# KiCad board the-nicholas-van MX.kicad_pcb (continued)
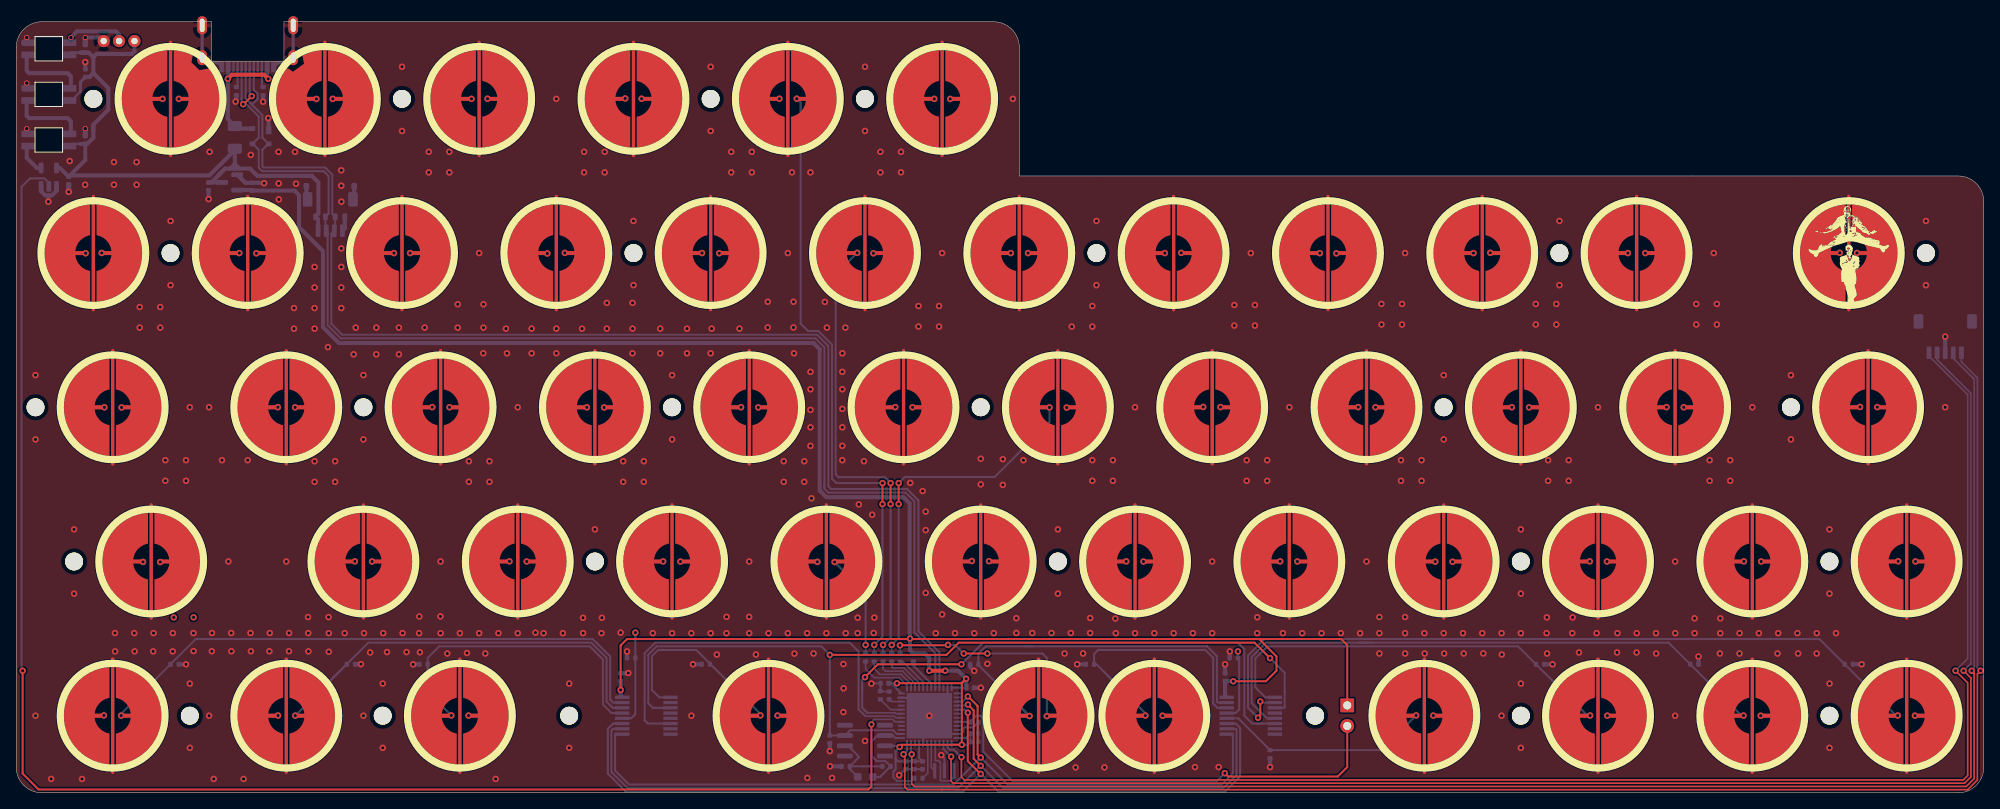
[diagram p0: board, top side]
## Routing (per net, layer and track width the routed paths; a pad name or vN(x,y) marks a point on that pad's centre or on a via; arc(x,y) is an arc through that point) (continued)
  Bottom w0.62: 8.53,92.42 v2(8.53,93.31) 8.53,92.42 ; 8.53,81.16 v2(8.53,82.05) 8.53,81.16 ; 6.48,75.12 6.48,74.23 6.48,75.12
  vias: v1(2.38,51.59) v1(2.38,43.66) v1(2.38,9.53) v1(4.32,1.71) v1(6.6,78.04) v1(7.14,32.54) v1(7.14,24.61) v1(8.13,1.71) v1(8.51,75.12) v1(12.07,77.91) v1(12.07,75.12) v1(12.19,19.73) v1(12.21,17.47) v1(14.57,19.73) v1(14.62,17.47) v1(14.86,77.91) v1(14.86,75.12) v1(15.24,60.01) v1(15.24,57.47) v1(16.95,19.73) v1(16.91,17.47) v1(17.78,60.01) v1(17.78,57.47) v1(18.42,41.08) v1(18.42,38.54) v1(19.05,70.64) v1(19.05,62.71) v1(19.33,19.73) v1(19.32,17.47) v1(20.96,41.08) v1(20.96,38.54) v1(21.43,47.62) v1(21.43,13.49) v1(21.43,5.56) v1(21.88,19.73) v1(21.89,17.51) v1(23.81,47.62) v1(23.81,9.53) v1(23.88,79.18) v1(24.16,19.74) v1(24.15,17.49) v1(24.38,1.71) v1(25.4,41.08) v1(26.19,28.58) v1(26.54,19.74) v1(26.56,17.49) v1(28.07,1.71) v1(28.57,41.08) v1(28.96,78.8) v1(28.92,19.74) v1(28.97,17.49) v1(31.26,17.49) v1(31.31,19.74) v1(32.39,79.18) v1(32.4,75.28) v1(32.42,73.3) v1(33.34,28.58) v1(33.67,17.49) v1(33.69,19.74) v1(34.29,59.88) v1(34.29,57.34) v1(34.42,79.18) v1(34.54,75.25) v1(36.03,21.71) v1(36.05,19.73) v1(36.07,17.47) v1(36.83,64.96) v1(36.83,62.42) v1(36.83,59.88) v1(36.83,57.34) v1(36.83,40.96) v1(36.83,38.42) v1(38.48,55.05) v1(38.56,21.71) v1(38.58,19.72) v1(38.58,17.43) v1(39.37,40.96) v1(39.37,38.42) v1(40.13,76.9) v1(40.13,74.99) v1(40.15,73.03) v1(40.13,67.25) v1(40.13,64.96) v1(40.13,62.42) v1(40.13,59.88) v1(40.55,19.72) v1(41.66,54.17) v1(41.91,57.47) v1(42.86,51.59) v1(42.86,43.66) v1(42.86,9.53) v1(42.93,19.72) v1(43.69,17.34) v1(44.45,57.47) v1(44.45,54.17) v1(45.24,13.49) v1(45.24,5.56) v1(45.31,19.72) v1(45.77,17.38) v1(47.24,57.47) v1(47.24,54.17) v1(47.62,89.69) v1(47.62,81.76) v1(47.69,19.72) v1(48.18,17.38) v1(49.76,21.77) v1(49.74,19.72) v1(49.83,17.36) v1(50.42,57.47) v1(50.93,79.18) v1(50.93,76.64) v1(52.36,21.79) v1(52.39,28.58) v1(52.39,19.72) v1(53.21,17.21) v1(53.47,79.18) v1(53.47,76.64) v1(54.51,60.35) v1(54.51,57.47) v1(54.77,19.72) v1(55.64,17.27) v1(55.88,40.96) v1(55.88,38.42) v1(57.15,66.68) v1(57.15,19.72) v1(57.66,54.29) v1(57.68,60.35) v1(57.68,57.47) v1(57.91,17.21) v1(58.42,40.96) v1(58.42,38.42) v1(59.18,1.71) v1(59.53,19.72) v1(60.45,57.34) v1(60.58,54.29) v1(61.91,47.62) v1(61.91,19.72) v1(63.63,57.34) v1(63.63,54.29) v1(64.11,19.79) v1(65.1,19.72) v1(66.67,85.73) v1(66.67,57.34) v1(66.67,54.29) v1(67.48,19.72) v1(68.26,13.49) v1(68.26,5.56) v1(69.85,57.34) v1(69.97,21.62) v1(69.98,19.72) v1(70.1,79.18) v1(70.1,76.64) v1(71.44,32.54) v1(72.25,19.72) v1(72.3,21.62) v1(72.64,79.18) v1(72.64,76.64) v1(72.91,60.52) v1(72.91,57.34) v1(74.61,19.79) v1(74.93,40.96) v1(74.93,38.42) v1(76.07,54.29) v1(76.08,60.52) v1(76.08,57.34) v1(76.2,70.64) v1(76.2,62.71) v1(77.47,40.96) v1(77.47,38.42) v1(78.58,19.72) v1(79.5,57.34) v1(79.5,54.29) v1(80.96,51.59) v1(80.96,43.66) v1(80.96,19.72) v1(82.8,57.34) v1(82.8,54.29) v1(83.34,19.72) v1(83.34,9.53) v1(83.54,15.88) v1(85.72,89.69) v1(85.72,81.76) v1(85.72,54.29) v1(85.72,19.72) v1(85.85,57.34) v1(86.49,17.08) v1(87.68,21.74) v1(87.68,19.72) v1(88.27,79.18) v1(88.27,76.64) v1(89.28,57.34) v1(90.49,28.58) v1(90.48,21.74) v1(90.49,19.72) v1(90.8,79.18) v1(90.8,76.64) v1(91.31,17.08) v1(92.77,60.66) v1(92.77,57.49) v1(92.87,19.72) v1(94.74,40.96) v1(94.74,38.42) v1(95.25,66.68) v1(95.25,19.72) v1(95.76,76.64) v1(95.95,60.66) v1(95.95,57.49) v1(96.01,54.29) v1(96.07,17.2) v1(97.28,40.96) v1(97.28,38.42) v1(97.63,19.72) v1(97.66,1.84) v1(98.04,76.64) v1(98.04,52.01) v1(98.04,49.85) v1(98.04,47.31) v1(98.04,45.15) v1(98.04,42.86) v1(98.17,36.39) v1(98.42,17.21) v1(99.82,60.64) v1(100.01,19.72) v1(100.08,57.47) v1(100.71,1.84) v1(101.98,54.29) v1(101.98,52.01) v1(101.98,49.85) v1(101.98,47.43) v1(101.98,45.15) v1(101.98,42.86) v1(101.98,41.08) v1(102.12,15.9) v1(102.14,12.91) v1(102.11,9.97) v1(102.36,57.47) v1(102.39,19.72) v1(103.87,21.63) v1(103.87,19.73) v1(104.01,35.62) v1(104.65,40.96) v1(104.77,89.69) v1(104.77,81.76) v1(104.77,6.41) v1(105.66,34.35) v1(105.85,19.75) v1(105.93,21.64) v1(106.68,79.18) v1(106.68,76.64) v1(109.22,79.18) v1(109.22,76.64) v1(110.36,38.29) v1(111.38,60.13) v1(111.38,57.59) v1(111.89,37.27) v1(112.27,34.73) v1(112.27,32.45) v1(112.27,24.7) v1(113.51,19.72) v1(113.92,60.13) v1(113.92,57.59) v1(114.3,66.68) v1(114.3,22.03) v1(115.89,19.72) v1(118.27,19.72) v1(119.06,41.28) v1(119.06,38.1) v1(119.89,15.94) v1(120.67,19.72) v1(121.79,41.21) v1(121.79,38.04) v1(123.03,85.73) v1(123.46,21.57) v1(123.46,19.75) v1(124.33,41.08) v1(125.42,19.74) v1(127.8,19.74) v1(128.59,32.54) v1(128.59,24.61) v1(129.41,17.21) v1(130.19,19.74) v1(130.3,57.59) v1(130.78,3.14) v1(131.7,17.21) v1(132.57,19.74) v1(132.58,21.6) v1(132.84,60.13) v1(132.84,57.59) v1(132.84,41.08) v1(132.84,38.54) v1(133.35,70.64) v1(133.35,62.71) v1(134.33,3.14) v1(135.38,41.08) v1(135.38,38.54) v1(135.68,21.53) v1(135.73,19.72) v1(138.11,47.62) v1(138.11,19.72) v1(140.49,19.72) v1(142.88,19.72) v1(145.26,19.72) v1(145.51,3.18) v1(147.64,28.58) v1(147.64,19.72) v1(148.43,3.18) v1(150.37,60.26) v1(150.37,57.72) v1(151.89,41.08) v1(151.89,38.54) v1(152.4,66.68) v1(152.91,60.26) v1(152.91,57.72) v1(153.2,21.69) v1(153.19,19.72) v1(154.43,41.08) v1(154.43,38.54) v1(156.37,19.72) v1(157.16,47.62) v1(158.75,19.72) v1(161.13,19.72) v1(163.51,19.72) v1(165.89,19.72) v1(166.69,28.58) v1(168.28,19.72) v1(168.28,17.21) v1(168.28,21.71) v1(168.53,60.39) v1(168.53,57.85) v1(170.94,41.08) v1(170.94,38.54) v1(171.07,60.39) v1(171.07,57.85) v1(171.45,66.68) v1(171.45,21.71) v1(171.45,19.72) v1(171.45,17.21) v1(173.48,41.08) v1(173.48,38.54) v1(173.83,19.72) v1(173.86,17.21) v1(176.21,51.59) v1(176.21,43.66) v1(176.21,19.72) v1(176.28,17.21) v1(178.59,19.72) v1(178.69,17.21) v1(180.98,19.72) v1(181.1,17.22) v1(183.36,19.72) v1(183.36,9.53) v1(183.39,17.08) v1(185.74,32.54) v1(185.74,24.61) v1(185.74,19.72) v1(185.74,13.49) v1(185.74,5.56) v1(187.58,60.39) v1(187.58,57.85) v1(188.95,21.67) v1(188.91,19.72) v1(188.98,17.21) v1(189.1,41.08) v1(189.1,38.54) v1(190.12,60.39) v1(190.12,57.85) v1(190.5,70.64) v1(190.5,62.71) v1(191.64,41.08) v1(191.64,38.54) v1(192.13,21.67) v1(192.09,19.72) v1(192.91,17.34) v1(195.09,19.72) v1(195.26,47.62) v1(197.66,19.72) v1(197.61,17.34) v1(200.04,19.72) v1(200.03,17.34) v1(202.42,19.72) v1(202.44,17.21) v1(204.79,28.58) v1(204.8,19.72) v1(204.79,9.53) v1(207.19,21.55) v1(207.18,19.72) v1(207.39,60.39) v1(207.39,57.85) v1(209.04,41.08) v1(209.04,38.54) v1(209.55,66.68) v1(209.93,60.39) v1(209.93,57.85) v1(210.36,21.55) v1(210.36,19.72) v1(210.31,17.21) v1(211.58,41.08) v1(211.58,38.54) v1(212.74,19.72) v1(212.73,17.21) v1(214.31,47.62) v1(215.12,19.72) v1(217.42,17.21) v1(217.5,19.72) v1(219.08,51.59) v1(219.08,43.66) v1(219.88,19.72) v1(219.96,17.21) v1(222.27,19.72) v1(222.25,17.21) v1(223.84,32.54) v1(223.84,24.61) v1(223.84,13.49) v1(223.84,5.56) v1(224.65,19.72) v1(235.74,70.64) v1(235.74,62.71) v1(238.12,47.62)
VBAT: length 317.7
  Top w0.25: 153.19,19 110.39,19 v1(110.33,19.05) 110.28,19 75.41,19 74.61,18.2 v1(74.61,12.7) ; 153.19,19 163.57,19 164.31,18.26 SW1.1 ; 153.19,19 153.44,19 155.58,16.86 155.58,15.08 154.27,13.78 v1(150.24,13.78) ; v1(117.27,14.09) 116.72,13.54 108.73,13.54 v1(108.71,13.53) ; v1(117.27,14.09) 116.68,13.51 ; v1(117.27,14.09) 116.73,13.56 v1(116.73,5.94) 109.33,5.94 v1(109.05,5.66)
  Top w0.5: v1(112.71,15.08) v1(114.69,15.08)
  Bottom w0.2: 108.27,1.91 108.73,1.45 110.52,1.45 R8.1
  Bottom w0.25: 108.27,1.91 108.27,2.62 108.55,2.9 108.55,4.19 ; v1(109.05,5.66) 108.91,5.81 U5.7 ; v1(109.05,5.66) 108.55,5.16 108.55,4.19 ; v1(109.05,5.66) 108.74,5.36 ; 108.55,4.19 108.55,4.16 108.83,3.89 C13.1 109.78,3.88 C7.1 111.46,4.29 U1.9 ; U1.36 115.48,12.98 C4.1 ; U1.24 108.02,13.53 C3.1 v1(108.71,13.53) ; v1(74.61,12.7) C11.1 ; 110.28,19 v1(110.33,19.05) ; U1.1 115.61,5.94 v1(116.73,5.94) 117.46,5.94 C2.1 117.81,7.33 C5.1 117.23,6.78 U1.48
  Bottom w0.5: 74.81,11.81 74.8,11.81 74.61,12 C11.1 ; v1(112.71,15.08) 112.71,16.67 112.17,17.21 R1.2 110.33,17.62 v1(110.33,19.05) 110.3,19.08 110.3,35.75 109.54,36.51 100.01,36.51 99.19,37.34 99.19,54.8 98.42,55.56 39.83,55.56 37.87,57.52 37.87,66.91 34.92,69.86 34.92,73.83 34.35,74.39 C9.1 29.06,74.46 U2.2 ; v1(150.24,13.78) 149.25,13.78 C14.1 149.23,12 149.42,11.81 149.43,11.81 ; C4.1 117.27,12.99 v1(117.27,14.09) 116.28,15.08 v1(114.69,15.08)
VCC: length 16.9
  Top w0.5: v1(26.13,88.2) 26.63,88.71 30.61,88.71 v1(31.11,88.2)
  Bottom w0.5: v1(31.11,88.2) 30.97,88.34 J3.A9 ; J3.A4 26.18,88.25 v1(26.13,88.2) 26.13,83.23 F_USBC1.1 27.29,82.06 D1.4
(no net):
  vias: v1(19.45,21.67) v1(21.9,21.68)
ADC: length 11.6
  Bottom w0.25: U1.13 108.53,6.78 108.23,7.08 U5.6 106.3,7.08 105.57,6.35 105.57,4.57 106.23,3.91 107.3,3.91 R7.2 106.65,1.97 JP1.1
AMUX_SEL_0: length 107.4
  Top w0.25: v1(117.47,9.89) 117.47,3.9 119.04,2.33 v1(119.06,2.33)
  Bottom w0.25: v1(117.47,9.89) 117.09,10.28 U1.41 ; U4.11 73.67,8.55 73.02,7.9 73.02,2.38 75.28,0.12 115.89,0.12 ; 115.89,0.12 116.85,0.12 v1(119.06,2.33) 121.27,0.12 149.23,0.12 149.23,0.16 151.09,2.02 151.09,8.03 150.56,8.55 U6.11 ; 115.89,0.12 116.49,0.12
AMUX_SEL_1: length 104.4
  Top w0.25: v1(119.06,3.33) 118.19,4.21 118.19,10.2 117.49,10.89 v1(117.49,10.89)
  Bottom w0.25: v1(117.49,10.89) 117.37,10.78 U1.40 ; 121.14,1.28 119.09,3.33 v1(119.06,3.33) 119.04,3.33 116.28,0.58 75.47,0.58 73.47,2.57 73.47,7.7 73.67,7.9 U4.10 ; 121.14,1.28 121.44,0.98 ; 121.14,1.28 121.85,0.58 149.01,0.58 150.64,2.21 150.64,7.79 150.52,7.9 U6.10
AMUX_SEL_2: length 101
  Top w0.25: v1(119.06,4.36) 118.68,4.74 118.68,10.73 118.67,10.73 117.5,11.91 v1(117.48,11.91)
  Bottom w0.25: U4.9 73.93,7.25 73.92,7.25 73.92,2.75 75.65,1.03 115.73,1.03 v1(119.06,4.36) 122.4,1.03 148.82,1.03 150.19,2.39 150.19,6.97 149.91,7.25 U6.9 ; U1.39 116.84,11.28 v1(117.48,11.91)
APLEX_EN_PIN_0: length 51.9
  Bottom w0.2: U1.18 108.56,9.28 108.36,9.47 104.83,9.47
  Bottom w0.25: U4.6 77.97,8.55 77.57,8.95 77.57,17.25 78.87,18.55 102.9,18.55 103.98,17.46 103.98,10.32 104.83,9.47
APLEX_EN_PIN_1: length 72.7
  Top w0.25: v1(104.77,14.29) 106.36,15.88 v1(116.68,15.88)
  Bottom w0.2: U1.19 108.62,9.78 108.52,9.88 105.06,9.88 104.43,10.51
  Bottom w0.25: 153.19,8.55 152.58,8.55 151.61,9.53 151.61,17.75 150.81,18.55 119.35,18.55 v1(116.68,15.88) ; 153.19,8.55 153.19,8.55 U6.6 ; 153.19,8.55 153.81,8.55 ; 104.43,12.7 104.43,13.94 v1(104.77,14.29) ; 104.43,12.7 104.43,13.49 ; 104.43,12.7 104.43,10.51 105.04,9.9 105.06,9.9
APLEX_OUT_PIN_0: length 115.3
  Top w0.25: v1(154.77,16.63) 152.86,18.55 116.34,18.55 114.84,17.04 v1(100.43,17.04)
  Bottom w0.25: U1.14 108.7,7.28 108.25,7.72 102.95,7.72 U5.3 100.44,7.08 C12.2 v1(100.43,17.04) 99.38,18.1 79.06,18.1 78.02,17.06 78.02,11.06 78.58,10.5 U4.3 ; U6.3 156.51,10.5 156.59,10.57 156.59,14.82 v1(154.77,16.63)
ARGB: length 8.5
  Bottom w0.5: v3(6.75,93.31) 7.51,94.07 12.29,94.07 12.7,93.66 J5.2
  Bottom w0.6: 6.75,92.66 v3(6.75,93.31) 6.75,92.66
ARGB_3V3: length 194.7
  Top w0.25: v1(0.79,15.08) 0.79,2.38 2.76,0.42 105.19,0.42 105.57,0.79 v1(105.57,8.45)
  Bottom w0.2: v1(105.57,8.45) 105.57,8.73 105.91,9.08 108.19,9.08 108.42,8.85 108.49,8.78 U1.17
  Bottom w0.25: U3.2 4.03,75.35 3.47,75.9 1.71,75.9 0.66,74.85 0.66,15.22 v1(0.79,15.08)
ARGB_5V: length 3.7
  Bottom w0.5: U3.4 2.55,77.19 1.3,78.44 1.3,79.9
BOOT0: length 60.7
  Top w0.25: v1(149.19,2.42) 149.59,2.01 163.14,2.01 164.31,3.18 SW1.2
  Bottom w0.25: 117.76,8.74 118.01,8.99 ; 118.01,8.99 118.54,9.53 119.02,9.53 119.38,9.17 119.38,5.07 122.97,1.47 148.25,1.47 v1(149.19,2.42) ; 118.01,8.99 117.79,8.78 U1.44
BOOT1: length 3.1
  Bottom w0.2: U1.20 107.94,10.28 R9.2
COL0: length 172.8
  In2.Cu w0.5: v1(17.78,28.51) 20.64,25.65 20.64,17.22 v1(12.96,9.54) ; v1(18.06,85.73) 13.49,81.16 13.49,69.63 11.22,67.36 ; v1(13.01,47.6) 15.1,47.6 19.84,42.86 19.84,30.75 SW_EC31.2 ; 11.22,67.36 v1(10.55,66.69) 16.67,60.57 16.67,51.39 SW_EC19.2 ; 11.22,67.36 10.54,66.68 10.32,66.68 ; 17.67,14.29 SW_EC43.2
  Bottom w0.25: v1(12.96,9.54) 12.96,9.78 R16.1 22.17,19 71.18,19 73.33,16.85 73.33,11.5 73.67,11.15 U4.15
COL1: length 148.4
  In2.Cu w0.5: SW_EC20.2 35.72,49.01 35.72,61.12 30.19,66.65 v1(29.64,66.65) ; SW_EC32.2 38.1,32.34 38.1,43.94 v1(34.43,47.61) ; v1(37.06,85.71) 33.34,82 33.34,70.44 SW_EC8.2 ; SW_EC44.2 37.31,12.49 37.31,24.09 v1(41.8,28.59)
  Bottom w0.25: U4.14 73.64,10.5 72.88,11.26 72.88,16.66 70.99,18.55 43.46,18.55 v1(34.45,9.54) 40.79,15.88 R15.1
COL2: length 138.7
  In1.Cu w0.5: 53.68,9.53 v1(53.71,9.56)
  In2.Cu w0.5: v1(56.2,85.73) 52.39,81.91 52.39,70.43 v1(48.63,66.68) 50.8,66.68 56.36,61.12 56.36,50.59 SW_EC21.2 ; SW_EC45.2 50.8,12.49 50.8,22.23 57.17,28.59 v1(60.89,28.59) 57.15,32.33 57.15,43.96 v1(53.49,47.62)
  Bottom w0.25: 50.8,12.47 R10.1 ; 50.8,12.47 v1(53.71,9.56) ; 50.8,12.47 50.8,16.67 52.23,18.1 70.8,18.1 72.43,16.47 72.43,10.92 73.5,9.85 U4.13
COL3: length 91
  In2.Cu w0.5: v1(67.72,66.7) 70.62,66.7 74.61,62.71 74.61,49.8 SW_EC22.2 ; SW_EC10.2 71.44,70.44 71.44,82.03 v1(75.18,85.78) ; v1(79.86,28.58) 76.43,25.15 v1(76.43,19.79) ; v1(72.57,47.6) 76.2,43.97 76.2,32.34 SW_EC34.2
  Bottom w0.25: U4.12 75.92,9.2 76.43,9.71 R17.1 76.43,19.78 v1(76.43,19.79)
COL4: length 120.4
  In2.Cu w0.5: v1(91.6,47.61) 96.04,43.17 96.04,31.54 SW_EC35.2 ; SW_EC23.2 94.46,50.59 94.46,62.71 90.5,66.66 v1(86.79,66.66) ; SW_EC5.2 89.69,81.17 89.69,69.64 SW_EC11.2 ; SW_EC46.2 88.9,12.49 88.9,22.23 95.21,28.53 v1(98.9,28.53)
  Bottom w0.25: v1(91.86,9.56) 91.86,9.74 83.95,17.65 79.24,17.65 78.47,16.88 78.47,12.7 79.37,11.8 U4.1
  vias: v1(94.21,85.74)
COL5: length 147
  In2.Cu w0.5: v1(105.82,66.65) 108.77,66.65 112.71,62.71 112.71,49.8 SW_EC24.2 115.89,47.62 120.65,42.86 120.65,29.18 v1(120.09,28.62) 122.24,26.47 122.24,12.49 SW_EC47.2 ; v1(113.33,85.73) 107.95,80.34 107.95,68.85 SW_EC12.2
  Bottom w0.25: 122.24,12.33 v1(125.09,9.49) 118.78,15.79 R22.1 118.78,17.18 119.7,18.1 125.41,18.1 ; U6.15 148.33,11.15 148.21,11.26 148.21,16.89 147,18.1 125.41,18.1 ; 125.41,18.1 124.46,18.1
  vias: v1(110.64,47.63)
COL6: length 102.9
  In2.Cu w0.5: SW_EC48.2 134.14,14.88 134.14,25.71 v1(137.02,28.59) ; SW_EC25.2 131.76,49.8 131.76,59.82 v1(124.91,66.68) ; v1(129.67,47.59) 134.14,43.12 134.14,31.54 SW_EC37.2
  Bottom w0.25: 135.73,13.49 134.14,15.08 ; 135.73,13.49 133.35,15.88 R21.1 133.07,17.18 133.53,17.65 146.79,17.65 147.76,16.67 147.76,11.02 148.29,10.5 U6.14 ; 135.73,13.49 139.39,9.84 v1(139.39,9.54)
COL7: length 83.8
  In2.Cu w0.5: 154.68,30.06 156.02,28.72 v1(156.02,28.59) 154.59,27.16 ; 154.68,30.06 SW_EC38.2 ; 154.68,30.06 153.19,31.54 153.19,43.11 v1(148.66,47.65) ; 154.59,27.16 154.59,17.83 154.96,17.46 157.67,17.46 ; 154.59,27.16 150.81,23.38 v1(150.81,17.46) ; SW_EC26.2 151.61,50.59 151.61,61.12 146.02,66.7 v1(143.81,66.7)
  Bottom w0.25: U6.13 150.52,9.85 150.97,10.29 150.97,16.52 R20.1 v1(150.81,17.46)
COL8: length 96.2
  In2.Cu w0.5: SW_EC49.2 169.86,12.49 169.86,23.81 174.61,28.56 v1(175.18,28.56) 172.24,31.49 172.24,43.18 v1(167.79,47.62) ; v1(162.97,66.64) 165.93,66.64 169.86,62.71 169.86,49.8 SW_EC27.2
  Bottom w0.25: v1(172.81,9.56) 168.52,5.27 R23.1 150.85,9.2 U6.12
COL9: length 120.4
  In2.Cu w0.5: v1(181.97,66.71) 184.12,66.71 188.91,61.91 188.91,49.8 SW_EC28.2 ; v1(194.24,28.59) 190.5,24.85 190.5,13.29 SW_EC50.2 ; v1(186.75,47.61) 190.5,43.87 190.5,32.34 SW_EC40.2
  Bottom w0.25: v1(194.29,9.55) 193.94,9.55 R24.1 185.39,18.1 154.46,18.1 152.96,16.59 152.96,13.04 154.2,11.8 U6.1
COL10: length 147.4
  In2.Cu w0.5: v1(201.1,66.68) 203.2,66.68 208.76,61.12 208.76,50.59 SW_EC29.2 ; SW_EC41.2 210.34,31.54 210.34,43.13 v1(205.85,47.62) ; v1(213.27,28.59) 208.76,24.08 208.76,14.01 v1(213.22,9.54)
  Bottom w0.25: 164.31,18.55 166.69,18.55 ; 164.31,18.55 154.28,18.55 152.51,16.78 152.51,11.09 154.39,9.2 U6.5 ; 164.31,18.55 163.8,18.55 ; 166.69,18.55 165.71,18.55 167.48,18.55 ; 166.69,18.55 167.48,18.55 ; v1(213.22,9.54) 212.99,9.54 R25.1 203.99,18.55 167.48,18.55
COL11: length 167.7
  Top w0.25: v1(153.29,9.28) 153.57,9.56 v1(153.57,11.27)
  In2.Cu w0.5: v1(227.23,66.69) 233.36,60.56 233.36,51.27 v1(229.74,47.65) 237.33,40.05 237.33,31.46 v1(234.45,28.58) 237.33,25.7 237.33,22.23 231.78,16.67 231.78,10.04 v1(232.26,9.55)
  Bottom w0.25: 152.4,10.17 v1(153.29,9.28) 152.06,10.51 152.06,16.96 154.09,19 163.51,19 ; U6.2 153.7,11.15 v1(153.57,11.27) ; 163.51,19 163.46,19 ; 163.51,19 222.6,19 R26.1 232.04,9.55 v1(232.26,9.55)
D+: length 162.8
  Bottom w0.25: U1.33 113.96,17.36 111.37,19.95 111.37,36.12 109.96,37.54 100.58,37.54 100.26,37.85 100.26,55.17 98.85,56.59 40.25,56.59 38.89,57.94 38.89,69.06 J1.3 39.37,69.54 J2.3 39.02,71.5 39.02,76.36 38.14,77.24 30.55,77.24 30.39,77.41 30.39,79.43 31.11,80.16 D1.2 30.39,80.93 30.39,83.25 ; J3.A6 28.32,85.79 29.15,84.96 ; 29.15,84.96 30.39,83.72 30.39,83.25 ; 29.15,84.96 29.15,85.07 29.8,85.72 29.8,86.36 29.32,86.84 J3.B6 ; 30.39,83.25 30.39,83.38
D-: length 163.9
  Top w0.25: v1(29.07,86.06) 28.07,85.06 v1(28.03,85.06)
  Bottom w0.25: U1.32 113.46,17.22 110.87,19.81 110.87,35.99 109.78,37.09 100.25,37.09 99.76,37.58 99.76,38.1 ; 27.82,85.65 27.82,85.92 ; 27.82,85.92 27.82,85.26 v1(28.03,85.06) 28.41,85.06 29.94,83.54 29.94,80.93 D1.3 29.21,80.16 29.94,79.43 29.94,77.22 30.36,76.79 37.95,76.79 ; 27.82,85.92 J3.B7 ; 37.95,76.79 38.57,76.18 38.57,71.55 J2.2 38.17,69.54 J1.2 38.44,69.26 38.44,57.76 40.06,56.14 98.66,56.14 99.76,55.04 99.76,38.1 ; 37.95,76.79 38.17,76.57 ; 99.76,38.1 99.76,37.71 ; J3.A7 28.82,86.31 v1(29.07,86.06)
ENC1: length 186.3
  Top w0.2: v1(115.41,4.46) 115.41,1.44 115.67,1.19 240.51,1.19 241.29,1.97 241.29,14.18 v1(240.39,15.08)
  Bottom w0.2: 241.24,15.93 241.29,15.98 ; 241.24,15.93 241.29,15.98 ; 241.24,15.93 v1(240.39,15.08) ; 241.29,15.98 241.29,49.34 237.12,53.51 J4.2
  Bottom w0.25: v1(115.41,4.46) 114.46,5.41 U1.3
ENC2: length 191.2
  Top w0.2: v1(241.39,15.08) 241.69,14.78 241.69,1.75 240.73,0.79 115.09,0.79 115.09,0.79 110.85,0.79 110.54,1.1 v1(110.54,4.76)
  Bottom w0.2: 241.25,51.54 241.69,51.09 ; 241.25,51.54 239.12,53.66 J4.4 ; 241.25,51.54 241.69,51.09 ; 241.69,51.09 241.69,15.38 v1(241.39,15.08)
  Bottom w0.25: v1(110.54,4.76) 110.46,4.84 U1.11
NRST: length 4.6
  Bottom w0.2: U1.7 112.53,6.02 112.53,2.44 R8.2
ROW0: length 235.3
  Top w0.25: v1(106.93,35.66) 106.93,38.26 v1(106.94,38.26)
  In1.Cu w0.5: 101.6,77.79 119.86,77.79 120.65,78.58 120.65,80.36 v1(115.3,85.71) ; 101.6,77.79 101.6,80.96 96.82,85.74 v1(96.35,85.74) ; 101.6,77.79 82.55,77.79 ; v1(58.18,85.74) 58.72,85.74 63.5,80.96 63.5,77.79 ; 63.5,77.79 45.24,77.79 ; 63.5,77.79 82.55,77.79 ; v1(77.2,85.74) 77.77,85.74 82.55,80.96 82.55,77.79 ; 45.24,77.79 44.45,77.79 44.45,80.96 39.69,85.73 v1(39.07,85.73) ; 45.24,77.79 26.19,77.79 25.4,78.58 25.4,80.96 20.64,85.73 v1(20.07,85.73)
  Bottom w0.2: 105.92,18.1 105.92,18.22 ; 105.92,18.1 R3.1 ; 105.92,18.1 v1(105.92,18.27)
  Bottom w0.25: 106.93,31.43 v1(106.93,35.66) ; 106.93,31.43 106.93,19.29 v1(105.92,18.27) ; 106.93,31.43 106.93,31.56 ; v1(96.35,85.74) 96.84,85.26 96.84,57.94 97.74,57.04 99.04,57.04 100.71,55.36 100.71,38.8 101.25,38.26 v1(106.94,38.26)
ROW1: length 400.4
  Top w0.25: v1(107.93,35.66) 107.93,38.26 v1(107.94,38.26)
  In1.Cu w0.5: 190.5,58.74 193.68,58.74 ; 190.5,58.74 191.02,58.74 ; 190.5,58.74 174.62,58.74 ; 193.68,58.74 193.68,61.39 v1(198.96,66.68) ; 193.68,58.74 219.08,58.74 219.87,59.53 219.87,61.47 v1(225.1,66.71) ; 23.81,58.74 23.02,58.74 22.9,58.86 22.9,62.03 v1(27.54,66.68) ; 23.81,58.74 3.97,58.74 3.18,59.53 3.18,61.26 v1(8.57,66.66) ; 23.81,58.74 41.27,58.74 ; 114.3,58.74 117.48,58.74 ; 114.3,58.74 99.22,58.74 ; 114.3,58.74 114.84,58.74 ; 117.48,58.74 133.35,58.74 ; 117.48,58.74 117.48,61.37 v1(122.78,66.68) ; 99.22,58.74 78.58,58.74 ; 99.22,58.74 98.42,58.74 98.42,61.31 v1(103.82,66.7) ; 171.96,58.74 171.45,58.74 ; 171.45,58.74 174.62,58.74 ; 171.45,58.74 155.58,58.74 ; v1(46.63,66.68) 41.27,61.32 41.27,58.74 ; v1(141.79,66.68) 136.53,61.41 136.53,60.33 ; 60.33,58.74 41.27,58.74 ; 60.33,58.74 60.19,58.87 60.19,61.25 v1(65.56,66.62) ; 60.33,58.74 78.58,58.74 ; 152.99,58.74 152.4,58.74 ; 152.4,58.74 155.58,58.74 ; 152.4,58.74 136.53,58.74 ; v1(160.92,66.66) 155.58,61.32 155.58,58.74 ; 133.35,58.74 133.85,58.74 ; 133.35,58.74 136.53,58.74 ; 174.62,58.74 174.62,61.41 v1(179.89,66.67) ; 136.53,61.12 136.53,60.33 ; 136.53,60.33 136.53,58.74 ; 78.58,58.74 79.38,58.74 79.38,61.39 v1(84.66,66.68)
  Bottom w0.2: R4.1 107,18.27 v1(107.01,18.27)
  Bottom w0.25: 105.57,38.99 101.51,38.99 101.16,39.33 101.16,64.04 v1(103.82,66.7) ; v1(107.01,18.27) 107.93,19.19 v1(107.93,35.66) ; v1(107.94,38.26) 107.94,38.29 107.24,38.99 105.41,38.99
ROW2: length 384.5
  Top w0.25: v1(108.94,38.26) 108.93,38.26 v1(108.93,35.66)
  In1.Cu w0.5: v1(165.67,47.64) 160.34,42.31 160.34,39.69 ; 26.99,41.28 26.99,42.31 v1(32.3,47.63) ; 26.99,41.28 26.99,39.69 ; 26.99,41.28 26.99,42.07 ; 65.88,39.69 84.14,39.69 ; 65.88,39.69 65.88,43.06 v1(70.44,47.62) ; 65.88,39.69 46.04,39.69 ; 23.02,39.69 6.35,39.69 5.56,40.48 5.56,42.29 v1(10.88,47.62) ; 23.02,39.69 24.36,39.69 ; 23.02,39.69 26.99,39.69 ; 141.29,39.69 141.29,42.42 v1(146.53,47.67) ; 141.29,39.69 123.03,39.69 ; 141.29,39.69 160.34,39.69 ; 46.04,39.69 46.04,42.32 v1(51.36,47.64) ; 46.04,39.69 42.86,39.69 ; 26.99,39.69 42.86,39.69 ; 42.86,39.69 43.4,39.69 ; 198.44,39.69 198.44,42.36 v1(203.72,47.64) ; 198.44,39.69 179.39,39.69 ; 198.44,39.69 221.46,39.69 222.25,40.48 222.25,42.3 v1(227.61,47.66) ; 84.14,39.69 84.14,42.29 v1(89.48,47.63) ; 84.14,39.69 103.19,39.69 ; 103.19,39.69 123.03,39.69 ; 103.19,39.69 103.19,42.31 v1(108.52,47.64) ; 160.34,39.69 179.39,39.69 ; 179.39,39.69 179.39,42.39 v1(184.63,47.63) ; 123.03,39.69 123.03,43.09 v1(127.55,47.61)
  Bottom w0.2: R5.1 v1(108.08,18.27)
  Bottom w0.25: v1(108.94,38.26) 109.69,39.02 120.77,39.02 127.55,45.79 v1(127.55,47.61) ; v1(108.93,35.66) 108.93,19.13 v1(108.08,18.27)
ROW3: length 349.4
  In1.Cu w0.5: v1(158.15,28.58) 163.51,23.21 163.51,20.64 ; 220.66,20.64 220.66,23.31 v1(215.4,28.58) ; 220.66,20.64 226.22,20.64 227.01,21.43 227.01,23.29 v1(232.32,28.6) ; 220.66,20.64 201.61,20.64 ; v1(177.3,28.54) 182.56,23.28 182.56,20.64 ; 182.56,20.64 201.61,20.64 ; 182.56,20.64 163.51,20.64 ; v1(43.93,28.57) 48.42,24.09 48.42,20.64 ; v1(81.99,28.56) 85.84,24.72 ; 85.84,24.72 86.52,24.04 ; 85.84,24.72 86.52,24.04 ; 86.52,24.04 86.52,20.64 ; 144.46,20.64 163.51,20.64 ; 144.46,20.64 144.46,23.26 v1(139.15,28.57) ; 144.46,20.64 112.71,20.64 ; 67.47,20.64 86.52,20.64 ; 67.47,20.64 67.47,24.12 v1(63.02,28.58) ; 67.47,20.64 48.42,20.64 ; 86.52,20.64 104.77,20.64 ; 201.61,20.64 201.61,23.33 v1(196.37,28.58) ; 112.71,20.64 104.77,20.64 ; 112.71,20.64 112.71,23.38 v1(117.96,28.63) ; 104.77,20.64 104.77,24.76 v1(101.03,28.51) ; 48.42,20.64 11.11,20.64 10.32,21.43 10.32,23.19 v1(15.65,28.52)
  Bottom w0.2: R2.1 104.85,18.27 v1(104.85,18.27)
  Bottom w0.25: v1(101.03,28.51) 104.85,24.69 v1(104.85,18.27)
ROW4: length 370.2
  Top w0.2: v1(109.09,18.22) 109.47,18.22
  Top w0.25: v1(116.97,17.21) v1(119.89,17.21) ; v1(115.02,18.27) 114.98,18.22 109.47,18.22
  In1.Cu w0.5: v1(215.35,9.53) 220.66,4.21 220.66,0.79 ; 180.18,0.79 201.61,0.79 ; 180.18,0.79 146.84,0.79 ; 180.18,0.79 180.18,4.3 v1(174.94,9.54) ; 201.61,0.79 201.61,4.33 v1(196.41,9.53) ; 201.61,0.79 225.43,0.79 ; 99.22,0.79 99.22,4.32 v1(93.99,9.54) ; 99.22,0.79 132.56,0.79 ; 99.22,0.79 61.12,0.79 ; 61.12,0.79 61.12,4.26 v1(55.84,9.54) ; 61.12,0.79 26.19,0.79 ; v1(10.83,9.56) 5.56,4.29 5.56,2.38 7.14,0.79 26.19,0.79 ; v1(32.32,9.55) 26.19,3.43 26.19,0.79 ; 132.56,0.79 146.84,0.79 ; 132.56,0.79 132.56,4.13 v1(127.21,9.47) ; 146.84,0.79 146.84,4.19 v1(141.51,9.53) ; v1(234.39,9.53) 239.71,4.21 239.71,1.59 238.92,0.79 225.43,0.79 ; 225.43,0.79 226.22,0.79
  Bottom w0.2: R6.1 109.13,18.19 v1(109.09,18.22)
  Bottom w0.25: v1(127.21,9.47) 127.21,16.67 126.67,17.21 v1(119.89,17.21) ; v1(115.02,18.27) 115.9,18.27 v1(116.97,17.21)
SW1: length 185.2
  Top w0.2: v1(116.68,4.41) 116.68,1.95 117.04,1.59 240.34,1.59 240.89,2.14 240.89,13.58 v1(239.4,15.08)
  Bottom w0.2: v1(239.4,15.08) 240.89,16.58 240.89,49.18 236.12,53.94 J4.1
  Bottom w0.25: U1.2 114.96,5.6 115.24,5.33 115.76,5.33 v1(116.68,4.41)
SW2: length 192.8
  Top w0.2: v1(109.54,4.76) 109.7,4.6 109.7,0.72 110.02,0.39 114.3,0.39 114.3,0.39 240.89,0.39 242.09,1.59 242.09,14.69 v1(242.49,15.08)
  Bottom w0.2: 242.09,51.26 242.09,15.47 v1(242.49,15.08) ; 242.09,51.26 241.93,51.43 ; 242.09,51.26 241.93,51.43 ; J4.5 240.12,53.23 241.93,51.43
  Bottom w0.25: v1(109.54,4.76) 109.96,5.19 U1.12
XTAL0: length 7.7
  Bottom w0.2: Y1.3 115.78,1.96 115.28,1.46 114.21,1.46 114.08,1.59 114.08,3.76 113.88,3.97 113.51,3.97 113.46,4.01 U1.5
XTAL1: length 3.5
  Bottom w0.2: Y1.1 112.96,3.13 U1.6
Net-(J3-CC1): length 2.8
  Bottom w0.25: R12.1 27.33,87.34 ; R12.1 27.18,87.14 ; R12.1 27.32,87.33 J3.A5
Net-(J3-CC2): length 2.5
  Bottom w0.25: J3.B5 30.32,87.34 R13.1
Net-(JP1-B): length 9.6
  Bottom w0.25: R19.1 R7.1 ; R19.1 103.98,4.35 103.98,4.5 102.68,5.81 U5.2 ; R19.1 102.9,2.94 JP1.2
Net-(LED1-DOUT): length 9.2
  Bottom w0.5: 6.75,81.4 6.75,82.94 6.35,83.34 1.59,83.34 1.3,83.63 1.3,85.53
Net-(LED2-DOUT): length 9.2
  Bottom w0.5: 1.3,91.16 1.3,89.19 1.59,88.9 6.35,88.9 6.75,88.5 6.75,87.03
Net-(U1-PA8): length 4.6
  Bottom w0.2: U1.29 111.96,13.69 109.46,16.19 R6.2
Net-(U1-PA10): length 4.1
  Bottom w0.25: R1.1 110.74,15.71 112.96,13.49 U1.31
Net-(U1-PB12): length 7.2
  Bottom w0.2: U1.25 109.96,13.26 109,14.23 105.92,14.23 104.85,15.29 R2.2
Net-(U1-PB13): length 6.7
  Bottom w0.2: R3.2 105.92,15.33 106.63,14.63 109.25,14.63 110.46,13.41 U1.26
Net-(U1-PB14): length 6.1
  Bottom w0.2: U1.27 110.96,13.48 109.42,15.03 107.31,15.03 107,15.34 R4.2
Net-(U1-PB15): length 5.5
  Bottom w0.2: R5.2 108.08,15.56 108.2,15.43 109.6,15.43 111.46,13.57 U1.28
Net-(U1-VCAP1): length 1.6
  Bottom w0.2: U1.22 108.03,11.28 C1.1

## Copper pours and planes (outline as drawn; the poured copper is in the pictures)
GND on Top, Bottom, In1.Cu, In2.Cu: -7.14,102.39 248.44,102.39 248.44,-11.11 -7.14,-11.91

## Text on the board
B.Silkscreen: - | + | DB | by Calvin0563 | reset | ENC | ^ | The Nicholas Van
